# Altium PCB CHEM_CONTROL_BOX.PcbDoc (part 2 of 3)
Units mil, origin at the board's own origin, x right, y up, seen from the top; angles counter-clockwise.
Board outline 17180 x 8000 mil, 2 copper layers (Top Layer, Bottom Layer), stack 65.3 mil thick; 278 components, 287 nets, 1298 pads, 479 vias.
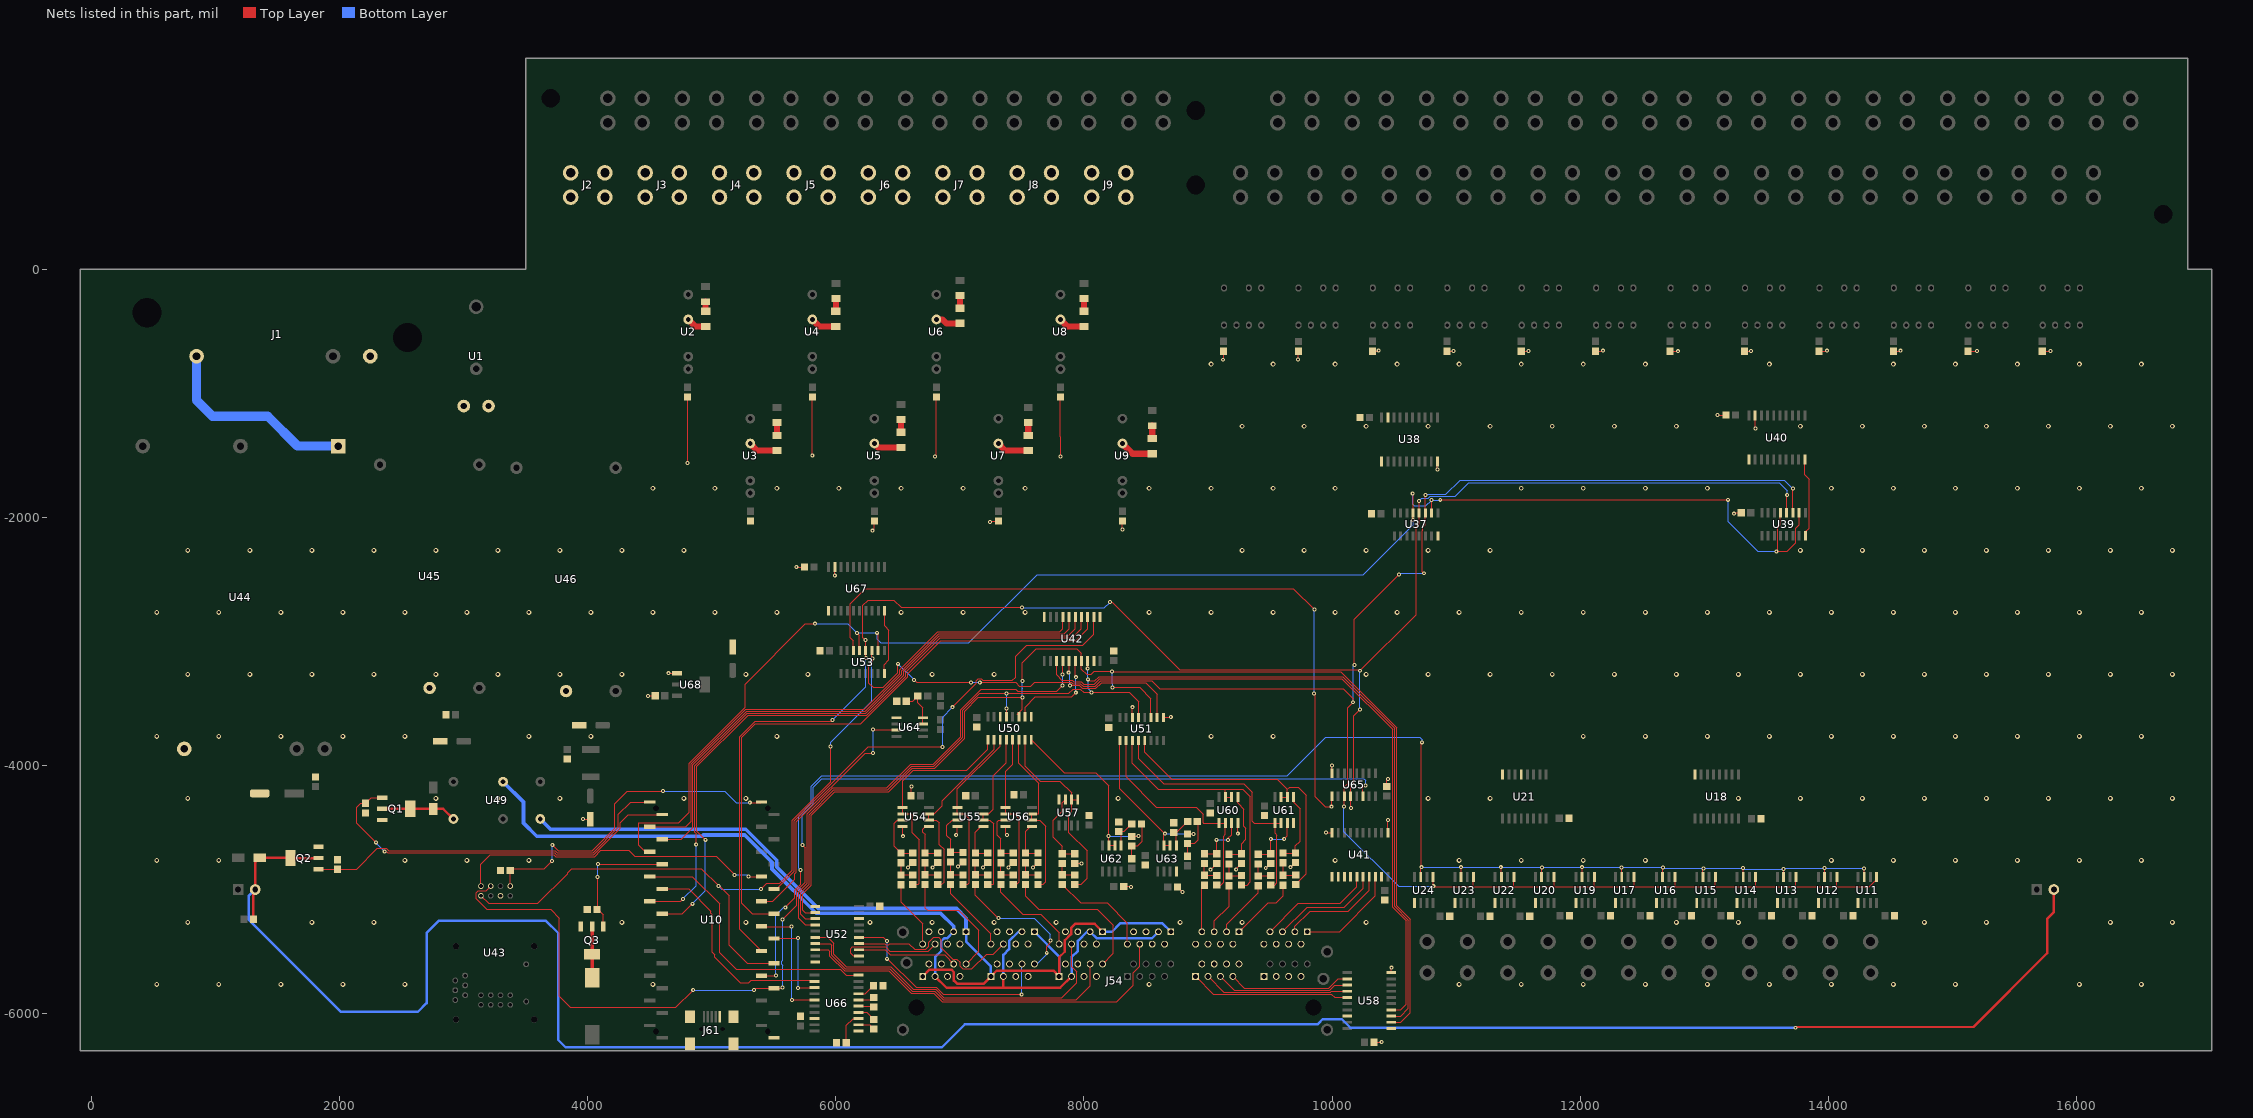
[diagram p2: the nets of this part, all layers, seen from the top]

## Via types
v1: diameter 32, hole 15, Top Layer to Bottom Layer, tented both sides, 259 vias
v2: diameter 40, hole 20, Top Layer to Bottom Layer, tented both sides, 217 vias
v3: diameter 32, hole 15, Top Layer to Bottom Layer, 3 vias

## Nets (pads, with @x,y where several pads share a name; then routed paths per layer and width w, separated by ;. In a path a pad name is that pad's centre, name@x,y a point inside that pad or via, vN(x,y) a via of type N, cw(c..) or ccw(c..) an arc to the next point about the centre after c; other vN are vias at no path point) (continued)
ADC1_CS_5V: U42.16 U50.10 | length 793.8
  Top Layer w8: U50.10@7525,-3607.48 7525,-3529 7607,-3447 7900,-3447 v1(7934,-3413) ; U42.16@7930,-3157.17 7930,-3283 v1(7935,-3288)
  Bottom Layer w8: v1(7934,-3413) 7934,-3383 7935,-3382 v1(7935,-3288)
ADC2_CS_5V: U42.15 U51.10 | length 1161.4
  Top Layer w8: v1(7877,-3252) 7880,-3249 U42.15@7880,-3157.17 ; v1(7886,-3355) 7963.75,-3355 7985.75,-3377 8095.63,-3377 8141.63,-3331 8496,-3331 8590,-3425 U51.10@8590,-3612.48
  Bottom Layer w8: v1(7877,-3252) 7886,-3261 v1(7886,-3355)
AIO_ADC1_CS: U10.30 U42.4 | length 5128
  Top Layer w8: U10.30@4600,-5195 4763,-5195 v1(4843,-5115) ; v1(4948,-4599) 4880,-4531 4880,-4007 5293,-3594 6248.51,-3594 6564,-3278.51 6564,-3248.37 6841.37,-2971 7907,-2971 7980,-2898 U42.4@7980,-2802.83
  Bottom Layer w8: v1(4843,-5115) 4948,-5010 v1(4948,-4599)
AIO_ADC2_CS: U10.29 U42.5 | length 5034.4
  Top Layer w8: U10.29@4500,-5095 4748,-5095 v1(4767,-5076) ; v1(4874,-4636) 4874,-4547.63 4864,-4537.63 4864,-4000.37 5286.37,-3578 6241.88,-3578 6548,-3271.88 6548,-3241.75 6834.75,-2955 7873,-2955 7930,-2898 U42.5@7930,-2802.83
  Bottom Layer w8: v1(4767,-5076) 4874,-4969 v1(4874,-4636)
AIO_CLK: U10.13 U42.2 | length 4066.7
  Top Layer w8: U10.13@5500,-4995 5523.97,-4995 5666,-4852.97 5666,-4446.23 6262.23,-3850 v1(6860,-3850) ; v1(6940,-3530) 7132,-3338 7132,-3318.4 7148.4,-3302 7171.6,-3302 7183.6,-3314 7423.37,-3314 7450,-3287.37 7450,-3120 7540,-3030 7990,-3030 8080,-2940 U42.2@8080,-2802.83
  Bottom Layer w8: v1(6860,-3850) 6860,-3610 v1(6940,-3530)
AIO_CLK_5V: U42.18 U50.13 U51.13 U52.3 U58.3 | length 9924.2
  Top Layer w8: U52.3@5832.83,-5235 5753,-5235 5717,-5199 5717,-5024.37 5785,-4956.37 5785,-4395.11 5983.11,-4197 6417.75,-4197 6609.75,-4005 6790.25,-4005 7022,-3773.25 7022,-3555.37 7158.37,-3419 7878,-3419 7912,-3385 7971.12,-3385 7997.12,-3411 v1(8062,-3411) 8366,-3411 8440,-3485 U51.13@8440,-3612.48 ; U50.13@7375,-3607.48 7376,-3606.48 v1(7376,-3541) ; v1(8030,-3219) U42.18@8030,-3157.17 ; v1(8033,-3305) 8045,-3317 8087.75,-3317 8121.75,-3283 10086.63,-3283 10505,-3701.37 10505,-5135.37 10616,-5246.37 10616,-5958 10554,-6020 U58.3@10477.17,-6020
  Bottom Layer w8: v1(7376,-3541) v1@7376,-3415 ; v1(8030,-3219) 8030,-3302 v1(8033,-3305) 8033,-3382 v1(8062,-3411)
  other v1: 7374,-3419
AIO_DAC1_CS: U10.24 U42.6 | length 4392.5
  Top Layer w8: U10.24@4600,-4595 4753.37,-4595 4848,-4500.37 4848,-3993.75 5279.75,-3562 6235.25,-3562 6532,-3265.25 6532,-3235.12 6828.12,-2939 7839,-2939 7880,-2898 U42.6@7880,-2802.83
AIO_DAC2_CS: U10.23 U42.7 | length 4376.1
  Top Layer w8: U10.23@4500,-4495 4788,-4495 4832,-4451 4832,-3987.12 5273.12,-3546 6228.63,-3546 6516,-3258.63 6516,-3228.49 6821.49,-2923 7805,-2923 7830,-2898 U42.7@7830,-2802.83
AIO_DIN: U10.11 U42.3 | length 4893.6
  Top Layer w8: U10.11@5500,-5195 5324,-5195 5240,-5111 5240,-3773 5349,-3664 6201.14,-3664 6580,-3285.14 6580,-3261.57 6846.57,-2995 7932,-2995 8030,-2897 U42.3@8030,-2802.83
AIO_DIN_5V: U42.17 U50.11 U51.11 U52.2 U58.2 | length 10168.9
  Top Layer w8: U52.2@5832.83,-5185 5753,-5185 5733,-5165 5733,-5035 5801,-4967 5801,-4401.73 5989.73,-4213 6424.37,-4213 6616.37,-4021 6796.88,-4021 7038,-3779.88 7038,-3562 7149,-3451 v1(7504,-3451) 7504,-3546 7464,-3586 7475,-3586 U50.11@7475,-3607.48 ; v1(7503,-3320) 7503,-3172 7617,-3058 7941,-3058 7980,-3097 U42.17@7980,-3157.17 7980,-3222 8021.64,-3263.64 8057.96,-3263.64 8081.6,-3240 v1@8227,-3240 ; v1(8227,-3243) 10069.25,-3243 10521,-3694.75 10521,-5128.75 10632,-5239.75 10632,-5992 10554,-6070 U58.2@10477.17,-6070 ; v1@8229,-3369 v1(8230,-3370) 8449,-3370 8540,-3461 U51.11@8540,-3612.48
  Bottom Layer w8: v1(7503,-3320) 7503,-3379 7504,-3380 v1(7504,-3451) ; v1(8227,-3243) 8227,-3340 8230,-3340 v1(8230,-3370)
AIO_DOUT: U10.12 U64.3 | length 2040.4
  Top Layer w8: U10.12@5400,-5095 5490,-5095 5667,-4918 5667,-4874.6 5682,-4859.6 5682,-4452.85 6234.85,-3900 v1(6300,-3900) ; v1(6300,-3710) 6484.69,-3710 U64.3@6489.69,-3715
  Bottom Layer w8: v1(6300,-3900) v1(6300,-3710)
BUZZER_CONTROL: Q3.1 R62.2 U10.26 | length 1042.7
  Top Layer w8: v1(4079,-4898) 4079,-5155.37 4125.55,-5201.92 Q3.1@4125.55,-5297.8 ; v1(4082,-4794) 4083,-4795 U10.26@4600,-4795
  Bottom Layer w8: v1(4079,-4898) 4082,-4895 v1(4082,-4794)
DAC1_CS_5V: U42.14 U52.4 | length 3854.6
  Top Layer w8: U52.4@5832.83,-5285 5753,-5285 5701,-5233 5701,-5017.75 5769,-4949.75 5769,-4388.48 5976.48,-4181 6411.12,-4181 6603.12,-3989 6783.63,-3989 7006,-3766.63 7006,-3548.75 7170.75,-3384 7449,-3384 7468,-3403 7779,-3403 v1(7827,-3355) ; v1(7828,-3267) 7828,-3159.17 U42.14@7830,-3157.17
  Bottom Layer w8: v1(7827,-3355) 7827,-3268 v1(7828,-3267)
DAC2_CS_5V: U42.13 U58.4 | length 5444.6
  Top Layer w8: U42.13@7780,-3157.17 7780,-3269 7822,-3311 7904.23,-3311 7916.23,-3323 7977,-3323 7999,-3345 8082.37,-3345 8128.37,-3299 10080,-3299 10489,-3708 10489,-5142 10600,-5253 10600,-5924 10554,-5970 U58.4@10477.17,-5970
EARTH_GROUND: J1.E U44.1 | length 1650
  Bottom Layer w75: J1.E@846.06,-700.2 846.06,-1056.06 975,-1185 1420,-1185 1660,-1425 U44.1@1987.4,-1425
FAN_CONTROL: Q2.1 R61.2 U10.21 | length 2988
  Top Layer w8: Q2.1@1828.2,-4836.55 1981.18,-4836.55 R61.2@1982,-4837.37 1982.82,-4836.55 2135.45,-4836.55 2304,-4668 2349.4,-4668 2351.4,-4666 2374.6,-4666 2395.6,-4687 3738.37,-4687 3753.37,-4702 4042.74,-4702 4246,-4498.74 4246,-4394 4345,-4295 U10.21@4500,-4295
GND: C1.1 C2.1 C3.1 C4.1 C5.1 C6.1 C7.1 C8.1 C9.1 C10.1 C11.1 C12.1 C13.1 C14.1 C15.1 C16.1 C17.1 C18.1 C19.1 C20.1 C21.1 C22.1 C23.1 C24.1 C34.1 C36.1 C38.1 C40.1 C42.1 C44.1 C46.1 C48.1 C50.1 C51.1 C53.1 C55.1 C57.1 C59.1 C60.1 C61.1 C62.1 C63.1 C64.2 C65.1 C66.1 C67.2 C68.1 C69.1 C70.1 C72.1 C75.1 C76.1 C77.1 C78.2 C79.2 C80.1 C81.1 C82.2 C83.2 C85.1 J54.1-2 J54.1-4 J54.1-5 J54.1-7 J54.2-2 J54.2-4 J54.2-5 J54.2-7 J54.3-2 J54.3-4 J54.3-5 J54.3-7 J54.4-2 J54.4-4 J54.4-5 J54.4-7 J54.5-2 J54.5-4 J54.5-6 J54.5-8 J54.6-2 J54.6-4 J54.6-6 J54.6-8 J54.7-2 J54.7-4 J54.7-5 J54.7-7 J54.8-2 J54.8-4 J54.8-5 J54.8-7 J54.9-2 J54.9-4 J54.9-5 J54.9-7 J54.11-2 J54.11-4 J54.11-6 J54.11-8 J54.12-1 J54.12-3 J54.12-5 J54.12-7 J61.5 J61.MH1 J61.MH2 J61.MH3 J61.MH4 Q1.3 Q2.3 Q3.3 R1.1 R2.1 R3.1 R4.1 R5.1 R6.1 R7.1 R8.1 R9.1 R10.1 R11.1 R12.1 R13.1 R14.1 R15.1 R16.1 R17.1 R18.1 R19.1 R20.1 R47.1 R50.1 R59.1 R60.1 R61.1 R62.1 U10.1 U11.1 U12.1 U13.1 U14.1 U15.1 U16.1 U17.1 U18.8 U19.1 U20.1 U21.5 U21.8 U22.1 U23.1 U24.1 U37.8 U38.1 U38.10 U38.19 U39.8 U40.1 U40.10 U40.19 U41.1 U41.10 U41.19 U42.1 U42.10 U42.19 U43.22 U44.6 U45.4 U46.4 U50.9 U50.14 U51.9 U51.14 U52.1 U52.10 U52.18 U53.8 U54.4 U55.4 U56.4 U57.4 U58.1 U58.10 U58.18 U60.4 U61.4 U63.4 U64.1 U65.8 U66.1 U66.18 U67.1 U67.10 U67.19 U68.1 | length 6435.8
  Top Layer w8: v3(3962,-4432) 4020,-4432 C82.2@4020,-4434.49 ; v3(4486,-3439) 4486,-3437 C70.1@4543.61,-3437 ; v3(4651,-3256) 4651,-3256.45 U68.1@4718.8,-3256.45 ; v1(4805,-1562) R2.1@4805,-1029.37 ; v1(5681,-2401) 5682,-2400 C20.1@5746.61,-2400 ; v1(5810,-1500) R4.1@5810,-1029.37 ; v1(5991,-2467) 5992.02,-2465.98 U67.19@5992.02,-2398.69 ; v1(6295,-2107) 6310,-2092 R5.1@6310,-2029.37 ; U53.8@6390.33,-3258.13 6390.33,-3186.67 6428,-3149 6428,-2911 6392.02,-2875.02 U67.10@6392.02,-2753.02 ; U54.4@6538.9,-4490 6538.9,-4568.9 v1(6540,-4570) ; v1(6580.47,-4821.93) 6581.46,-4821.93 C34.1@6620,-4783.39 ; C60.1@6606.61,-4245 6606.61,-4173.39 v1(6610,-4170) ; v1(6780.47,-4821.93) 6781.46,-4821.93 C36.1@6820,-4783.39 ; v1(6800,-1510) 6808,-1502 6808,-1391 6810,-1389 R6.1@6810,-1029.37 ; v1(6970,-4560) 6978.9,-4551.1 U55.4@6978.9,-4490 ; v1(6985.47,-4815.31) 6986.46,-4815.31 C38.1@7025,-4776.77 ; v1(7185.47,-4821.93) 7224.02,-4783.39 C40.1@7225,-4783.39 ; v1(7243,-2038) 7251.63,-2029.37 R7.1@7310,-2029.37 ; U56.4@7368.9,-4490 7368.9,-4548.9 v1(7380,-4560) ; v1(7390.47,-4821.93) 7429.02,-4783.39 C42.1@7430,-4783.39 ; v1(7590.47,-4821.93) 7591.46,-4821.93 C44.1@7630,-4783.39 ; v1(7810,-1510) 7811,-1509 7811,-1350 7810,-1349 R8.1@7810,-1029.37 ; C46.1@7925,-4788.39 7978.39,-4788.39 v1(7980,-4790) ; v1(8310,-2097) R9.1@8310,-2029.37 ; R47.1@8319.37,-4975 8375,-4975 v1(8380,-4980) ; U51.14@8390,-3612.48 v1(8390,-3530) ; U51.9@8640,-3612.48 8697.52,-3612.48 v1(8700,-3610) ; R50.1@8754.37,-4980 v1(8794.37,-5020) ; v1(9020,-4840) 9020,-4838.39 C53.1@9070,-4788.39 ; v1(9120,-729) 9125,-724 R1.1@9125,-659.37 ; v1(9227.3,-4837.3) 9227.3,-4831.08 C55.1@9270,-4788.39 ; v1(9240,-4550) U60.4@9240,-4465.31 ; v1(9465.47,-4826.93) 9504.02,-4788.39 C57.1@9505,-4788.39 ; v1(9665.47,-4819.93) 9704.02,-4781.39 C59.1@9705,-4781.39 ; v1(9725,-726) 9728,-723 R10.1@9728,-660.37 ; v1(9950,-4540) 9952.83,-4542.83 U41.10@10000,-4542.83 ; U65.8@9999,-4062.48 9999,-4001 v1(10000,-4000) ; R11.1@10325,-659.37 10370.63,-659.37 v1(10376,-654) ; C51.1@10338.39,-6230 v1(10400,-6230) ; C68.1@10440,-4170.61 10440,-4120 v1(10450,-4110) ; U41.1@10450,-4542.83 v1(10450,-4440) ; U58.10@10477.17,-5670 10477.17,-5632.83 v1(10480,-5630) ; U38.10@10849.28,-1549.02 10849.28,-1613.28 v1(10851,-1615) ; R12.1@10925,-659.37 10978.63,-659.37 v1(10980,-658) ; R13.1@11525,-659.37 11582.63,-659.37 v1(11584,-658) ; R14.1@12125,-659.37 12181.63,-659.37 v1(12185,-656) ; R15.1@12725,-659.37 12789.37,-659.37 v1(12790,-660) ; v1(13106,-1175) C23.1@13176.61,-1175 ; v1(13239,-1970) 13239,-1963 C24.1@13298.61,-1963 ; R16.1@13325,-659.37 13374.63,-659.37 v1(13376,-658) ; U40.19@13410.89,-1178.94 13410.89,-1280.89 v1(13414,-1284) ; U40.10@13810.89,-1533.27 13810.89,-1656.89 13845,-1691 13845,-2086 13815,-2116 U39.8@13815,-2147.52 ; R17.1@13925,-659.37 13987.63,-659.37 v1(13991,-656) ; R18.1@14525,-659.37 14577.63,-659.37 v1(14581,-656) ; R19.1@15125,-659.37 15199.63,-659.37 v1(15200,-659) ; R20.1@15725,-659.37 15792.63,-659.37 v1(15793,-659)
  Bottom Layer w8: v1(8794.37,-5020) v1@8800,-5020
  other v2: 525,-5765 1025,-5765 1525,-5765 2025,-5765 2525,-5765 4525,-5765 8525,-5765 11025,-5765 11525,-5765 12025,-5765 12525,-5765 13025,-5765 13525,-5765 14025,-5765 14525,-5765 15025,-5765 16025,-5765 16525,-5765 775,-5265 1775,-5265 2275,-5265 4275,-5265 5275,-5265 6275,-5265 6775,-5265 7275,-5265 7775,-5265 8775,-5265 9275,-5265 10275,-5265 12775,-5265 13275,-5265 14775,-5265 15275,-5265 16275,-5265 16775,-5265 525,-4765 1025,-4765 2525,-4765 3025,-4765 3525,-4765 10025,-4765 11025,-4765 11525,-4765 12025,-4765 12525,-4765 14025,-4765 14525,-4765 15025,-4765 15525,-4765 16025,-4765 16525,-4765 775,-4265 2775,-4265 3275,-4265 3775,-4265 4775,-4265 5275,-4265 8275,-4265 10775,-4265 11275,-4265 13275,-4265 13775,-4265 14275,-4265 14775,-4265 15275,-4265 15775,-4265 16275,-4265 16775,-4265 525,-3765 1025,-3765 1525,-3765 2025,-3765 2525,-3765 3525,-3765 4025,-3765 5525,-3765 9025,-3765 9525,-3765 12025,-3765 12525,-3765 13025,-3765 13525,-3765 14025,-3765 14525,-3765 15025,-3765 15525,-3765 16025,-3765 16525,-3765 775,-3265 1275,-3265 1775,-3265 2275,-3265 2775,-3265 3275,-3265 3775,-3265 4275,-3265 5275,-3265 5775,-3265 6775,-3265 7275,-3265 10275,-3265 10775,-3265 11275,-3265 11775,-3265 12275,-3265 12775,-3265 13275,-3265 13775,-3265 14275,-3265 14775,-3265 15275,-3265 15775,-3265 16275,-3265 16775,-3265 525,-2765 1025,-2765 1525,-2765 2025,-2765 2525,-2765 3025,-2765 3525,-2765 4025,-2765 4525,-2765 5025,-2765 5525,-2765 6525,-2765 7025,-2765 7525,-2765 8525,-2765 9025,-2765 9525,-2765 10025,-2765 10525,-2765 11025,-2765 11525,-2765 12025,-2765 12525,-2765 13025,-2765 13525,-2765 14025,-2765 14525,-2765 15025,-2765 15525,-2765 16025,-2765 16525,-2765 775,-2265 1275,-2265 1775,-2265 2275,-2265 2775,-2265 3275,-2265 3775,-2265 4275,-2265 4775,-2265 9275,-2265 9775,-2265 10275,-2265 10775,-2265 11275,-2265 13775,-2265 14275,-2265 14775,-2265 15275,-2265 15775,-2265 16275,-2265 16775,-2265 4525,-1765 5025,-1765 5525,-1765 6025,-1765 6525,-1765 7025,-1765 7525,-1765 8525,-1765 9025,-1765 9525,-1765 10025,-1765 11525,-1765 12025,-1765 12525,-1765 13025,-1765 14025,-1765 14525,-1765 15025,-1765 15525,-1765 16025,-1765 16525,-1765 9275,-1265 9775,-1265 10275,-1265 10775,-1265 11275,-1265 11775,-1265 12275,-1265 12775,-1265 13775,-1265 14275,-1265 14775,-1265 15275,-1265 15775,-1265 16275,-1265 16775,-1265 9025,-765 9525,-765 10025,-765 10525,-765 11025,-765 11525,-765 12025,-765 12525,-765 13525,-765 14525,-765 15025,-765 15525,-765 16025,-765 16525,-765
HEATER_POWER_0: C25.2 J2.1 U2.2 | length 163.6
  Top Layer w50: U2.2@4810,-404 4867.02,-461.02 C25.2@4950,-461.02
HEATER_POWER_1: C26.2 J3.1 U3.2 | length 238.6
  Top Layer w50: U3.2@5310,-1404 5367.02,-1461.02 C26.2@5525,-1461.02
HEATER_POWER_2: C27.2 J4.1 U4.2 | length 213.6
  Top Layer w50: U4.2@5810,-404 5867.02,-461.02 C27.2@6000,-461.02
HEATER_POWER_3: C28.2 J5.1 U5.2 | length 228.3
  Top Layer w50: U5.2@6310,-1404 6342.02,-1436.02 C28.2@6525,-1436.02
HEATER_POWER_4: C29.2 J6.1 U6.2 | length 203.3
  Top Layer w50: U6.2@6810,-404 6859,-404 6891.02,-436.02 C29.2@7000,-436.02
HEATER_POWER_5: C30.2 J7.1 U7.2 | length 263.6
  Top Layer w50: U7.2@7310,-1404 7367.02,-1461.02 C30.2@7550,-1461.02
HEATER_POWER_6: C31.2 J8.1 U8.2 | length 213.6
  Top Layer w50: U8.2@7810,-404 7867.02,-461.02 C31.2@8000,-461.02
HEATER_POWER_7: C32.2 J9.1 U9.2 | length 274
  Top Layer w50: U9.2@8310,-1404 8392.02,-1486.02 C32.2@8550,-1486.02
LCD_SCK: U10.7 U11.5 U12.5 U13.5 U14.5 U15.5 U16.5 U17.5 U19.5 U20.5 U22.5 U23.5 U24.5 U37.11 U39.11 U43.18 U53.11 U65.11 | length 21945.8
  Top Layer w8: U43.18@3138.71,-5050.77 3199.94,-5112 3597.6,-5112 3838,-4871.6 3838,-4865 3871,-4832 4916,-4832 v1(5055,-4971) ; v1@5061,-4971 5140,-5050 5140,-5450 5285,-5595 U10.7@5500,-5595 ; v1(5396,-4996) 5442,-4950 5546.34,-4950 5650,-4846.34 5650,-4439.6 5958,-4131.6 v1(5958,-3848) ; U53.11@6290.33,-3073.09 6290.33,-3130.33 v1(6296,-3136) 6296,-3161.21 6266.52,-3190.69 6266.52,-3336.52 6300,-3370 6382,-3370 6500,-3252 v1(6500,-3180) ; v1(6630,-3310) 6650,-3330 v1(7090,-3330) ; v1(7160,-3330) 7450,-3330 7480,-3360 7570,-3360 7603,-3327 7897.6,-3327 7909.6,-3339 7970.37,-3339 7992.37,-3361 8089,-3361 8135,-3315 8545,-3315 8610,-3380 10090,-3380 10170,-3460 v1(10170,-3490) 10125.19,-3534.81 10125.19,-4146.18 10099,-4172.37 U65.11@10099,-4247.52 10099,-4329 10098,-4330 v1(10096,-4330) ; v1(10180,-3190) 10180,-2820 v1(10540,-2460) ; v1(10740,-2450) 10728.69,-2438.69 10728.69,-2105.85 10730,-2104.54 10730,-2080 10752.5,-2057.5 U37.11@10752.5,-1964.49 10752.5,-1819.5 v1(10753,-1819) ; U24.5@10815,-4899.68 10816,-4900.68 v1(10816,-4973) 10820,-4977 11140,-4977 ; U23.5@11140,-4899.68 11140,-4977 ; U22.5@11465,-4899.68 11465,-4976 11464,-4977 ; U20.5@11790,-4899.68 11790,-4976 11791,-4977 ; U19.5@12115,-4899.68 12115,-4974 12118,-4977 ; U17.5@12435,-4899.68 12435,-4975 12437,-4977 ; U16.5@12765,-4899.68 12765,-4973 12769,-4977 ; U15.5@13090,-4899.68 13090,-4976 13091,-4977 ; U14.5@13415,-4899.68 13415,-4972 13420,-4977 ; U39.11@13715,-1962.48 v1(13715,-1768) ; U13.5@13740,-4899.68 13740,-4974 13743,-4977 ; U12.5@14070,-4899.68 14070,-4974 14073,-4977 ; U11.5@14390,-4899.68 14390,-4918.82 14331.82,-4977 14073,-4977 ; 11140,-4977 11464,-4977 ; 11464,-4977 11791,-4977 ; 11791,-4977 12118,-4977 ; 12118,-4977 12437,-4977 ; 12437,-4977 12769,-4977 ; 12769,-4977 13091,-4977 ; 13091,-4977 13420,-4977 ; 13420,-4977 13743,-4977 ; 13743,-4977 14073,-4977
  Bottom Layer w8: v1(5055,-4971) 5080,-4996 v1(5396,-4996) ; v1(5958,-3848) 5958,-3814 6289,-3483 6289,-3140 6293,-3136 v1(6296,-3136) ; v1(6500,-3180) v1(6630,-3310) ; v1(7090,-3330) v1(7160,-3330) ; v1(10096,-4330) 10096,-4533 10536,-4973 v1(10816,-4973) ; v1(10170,-3490) 10170,-3200 v1(10180,-3190) ; v1(10540,-2460) 10550,-2450 v1(10740,-2450) ; v1(10753,-1819) 10758,-1814 10918,-1814 11033,-1699 13646,-1699 v1(13715,-1768)
LCD_SDI: U10.5 U43.19 U65.14 | length 9822.1
  Top Layer w8: U43.19@3217.45,-4972.03 3179.48,-5010 3116.37,-5010 3100,-5026.37 3100,-5074.37 3185.63,-5160 3700,-5160 3770,-5230 3770,-5860 3860,-5950 4710,-5950 v1(4850,-5810) ; v1(5340,-5810) 5355,-5795 U10.5@5500,-5795 5565,-5795 v1(5570,-5790) ; v1(5570,-5240) 5685,-5125 5685,-5011.12 5753,-4943.12 5753,-4663 v1(5730,-4640) ; U65.14@10249,-4247.52 10249,-4181 v1(10270,-4160)
  Bottom Layer w8: v1(4850,-5810) v1(5340,-5810) ; v1(5570,-5790) 5570,-5609.6 5562,-5601.6 5562,-5578.4 5570,-5570.4 v1(5570,-5240) ; v1(5730,-4640) 5730,-4399.76 5819,-4310.76 5819,-4173.76 5886.76,-4106 10256,-4106 10270,-4120 v1(10270,-4160)
LCD_SS: U10.14 U43.17 | length 2585.4
  Top Layer w8: U43.17@3138.71,-4972.03 3138.71,-4794.29 3214,-4719 3725.12,-4719 3740.12,-4734 4055.99,-4734 4105.99,-4684 4330,-4684 4379,-4733 5034,-4733 v1(5183,-4882) ; v1(5295,-4896) 5399,-4896 U10.14@5400,-4895
  Bottom Layer w8: v1(5183,-4882) 5281,-4882 v1(5295,-4896)
LCD_SWITCH: R59.2 U10.20 U43.23 | length 2686
  Top Layer w8: U43.23@3374.93,-4972.03 3374.93,-4845.56 R59.2@3374.37,-4845 3387.37,-4832 3649,-4832 v1(3710,-4771) ; v1(3714,-4640) 3760,-4686 4036.11,-4686 4218,-4504.11 4218,-4308 4320,-4206 v1(4607,-4206) ; v1(5306,-4300) 5395,-4300 U10.20@5400,-4295
  Bottom Layer w8: v1(3710,-4771) 3714,-4767 v1(3714,-4640) ; v1(4607,-4206) 4608,-4207 5103,-4207 5196,-4300 v1(5306,-4300)
MCU_MISO1: U10.6 U11.7 U12.7 U13.7 U14.7 U15.7 U16.7 U17.7 U19.7 U20.7 U22.7 U23.7 U24.7 | length 12406.5
  Top Layer w8: U10.6@5400,-5695 5401,-5694 v1(5518,-5694) ; v1(5592,-5144) 5669,-5067 5669,-5004.49 5715,-4958.49 v1(5715,-4843) ; U24.7@10715,-4899.68 10715,-4825 v1(10720,-4820) 10720,-3818 v1(10725,-3813) ; U23.7@11040,-4899.68 v1(11040,-4820) ; v1(11360,-4820) 11365,-4825 U22.7@11365,-4899.68 ; U20.7@11690,-4899.68 11690,-4824 v1(11693,-4821) ; U19.7@12015,-4899.68 12015,-4821 v1(12016,-4820) ; v1(12334,-4823) 12335,-4824 U17.7@12335,-4899.68 ; U16.7@12665,-4899.68 12665,-4824 v1(12668,-4821) ; U15.7@12990,-4899.68 12990,-4833 v1(12993,-4830) ; v1(13314,-4827) 13315,-4828 U14.7@13315,-4899.68 ; v1(13639,-4835) 13640,-4836 U13.7@13640,-4899.68 ; v1(13969,-4825) 13970,-4826 U12.7@13970,-4899.68 ; v1(14289,-4830) 14290,-4831 U11.7@14290,-4899.68
  Bottom Layer w8: v1(5518,-5694) 5517,-5693 5517,-5206 5579,-5144 v1(5592,-5144) ; v1(5715,-4843) 5700,-4828 5700,-4407.14 5803,-4304.14 5803,-4167.14 5887.14,-4083 9638,-4083 9948,-3773 10705,-3773 10725,-3793 v1(10725,-3813) ; v1@10718,-4818 v1(10720,-4820) v1(11040,-4820) v1(11360,-4820) 11361,-4821 v1(11693,-4821) 11694,-4820 v1(12016,-4820) 12331,-4820 v1(12334,-4823) 12336,-4821 v1(12668,-4821) 12677,-4830 v1(12993,-4830) 12996,-4827 v1(13314,-4827) 13322,-4835 v1(13639,-4835) 13644,-4830 v1(14289,-4830)
MCU_RX2: U10.27 U66.10 | length 2241.7
  Top Layer w8: U10.27@4500,-4895 4841,-4895 5062,-5116 5062,-5509 5195,-5642 6035.12,-5642 6083.12,-5690 U66.10@6182.17,-5690
MCU_RX3: U10.10 U66.15 | length 1019.6
  Top Layer w8: U10.10@5400,-5295 5404,-5299 v1(5642,-5299) ; v1(5646,-5891) 5647,-5890 U66.15@5827.83,-5890
  Bottom Layer w8: v1(5642,-5299) 5646,-5303 v1(5646,-5891)
MCU_SR_CLEAR: U10.25 U37.10 U37.13 U39.10 U39.13 U53.10 U53.13 | length 12778.1
  Top Layer w8: U10.25@4500,-4695 4462,-4695 4411,-4644 4411,-4462 4732,-4462 4816,-4378 4816,-3980.49 5268,-3528.49 5268,-3343 5754,-2857 v1(5831,-2857) ; v1(6170,-2931) 6188.21,-2949.21 6188.21,-3070.98 U53.13@6190.33,-3073.09 ; v1(6332,-2930) 6340.33,-2938.33 U53.10@6340.33,-3073.09 ; v1(10650,-1806) 10652.5,-1808.5 U37.13@10652.5,-1964.49 10652,-1964.99 v1(10652,-2021) ; U37.10@10802.5,-1964.49 10802.5,-1860.5 v1(10803,-1860) ; v1(10872,-1858) v1(13192,-1858) ; U39.13@13615,-1962.48 13615,-2060 13591.19,-2083.81 13591.19,-2263.81 v1(13581,-2274) 13668,-2274 13739,-2203 13739,-2087 13765,-2061 U39.10@13765,-1962.48
  Bottom Layer w8: v1(5831,-2857) 6096,-2857 v1(6170,-2931) 6171,-2930 v1(6332,-2930) 6332,-2981 6363,-3012 7073,-3012 7624,-2461 10252,-2461 10653,-2060 10653,-2018 10652,-2019 v1(10652,-2021) ; v1(10650,-1806) 10650,-1895 10662,-1907 10756,-1907 v1(10803,-1860) 10870,-1860 v1(10872,-1858) ; v1(13192,-1858) 13192,-2034 13432,-2274 v1(13581,-2274)
MCU_SR_DOUT: U53.14 U65.9 | length 6011.7
  Top Layer w8: U53.14@6140.33,-3073.09 6140.33,-2994.33 6117,-2971 6117,-2694 6237,-2574 9689,-2574 v1(9857,-2742) ; v1(9855,-3419) 9866,-3430 9866,-4252 9946,-4332 v1(9995,-4332) 9999,-4328 U65.9@9999,-4247.52
  Bottom Layer w8: v1(9855,-3419) 9855,-2744 v1(9857,-2742)
MCU_SR_LOAD: U10.8 U37.12 U39.12 U53.12 U65.12 | length 13894.7
  Top Layer w8: U10.8@5400,-5495 5224,-5319 5224,-3766.37 5348.37,-3642 5964,-3642 v1(5974,-3632) ; v1(6242,-3134) 6242,-3074.76 U53.12@6240.33,-3073.09 6240.33,-2988.67 6239.66,-2988 v1(6238,-2988) 6218.21,-2968.21 6218.21,-2708.68 6259.89,-2667 6468,-2667 6527,-2726 v1(7501,-2726) ; v1(8211,-2682) 8227,-2682 8772,-3227 10216,-3227 v1(10225,-3236) 10678,-2783 10678,-2075 10702.5,-2050.5 U37.12@10702.5,-1964.49 10702.5,-1868.5 v1(10701,-1867) ; v1(10152,-4344) 10149,-4341 U65.12@10149,-4247.52 10149,-4170 10175,-4144 10175,-3599 v1(10225,-3549) ; U39.12@13665,-1962.48 13665,-1822 v1(13669,-1818)
  Bottom Layer w8: v1(5974,-3632) 6242,-3364 v1(6242,-3134) ; v1(7501,-2726) 7505,-2730 8163,-2730 v1(8211,-2682) ; v1(10225,-3549) v1(10225,-3236) ; v1(10701,-1867) 10721,-1847 10776.4,-1847 10793.4,-1830 10994,-1830 11103,-1721 13606,-1721 13669,-1784 v1(13669,-1818)
MCU_TX2: U10.28 U66.12 | length 1754
  Top Layer w8: U10.28@4600,-4995 4812.37,-4995 4992,-5174.63 4992,-5191.6 5004,-5203.6 5004,-5506.63 5022,-5524.63 5022,-5545 5229,-5752 5295.63,-5752 5317.63,-5730 5817.83,-5730 U66.12@5827.83,-5740
MCU_TX3: U10.9 U66.13 | length 731.3
  Top Layer w8: U10.9@5500,-5395 5503,-5392 v1(5696,-5392) ; v1(5696,-5793) 5699,-5790 U66.13@5827.83,-5790
  Bottom Layer w8: v1(5696,-5793) v1(5696,-5392)
MFC_+15V: J54.1-1 J54.2-1 J54.3-1 J54.4-1 J54.7-1 J54.8-1 J54.9-1 U49.4 | length 7394.8
  Top Layer w20: J54.7-1@6700,-5700.16 6754.44,-5645.72 6931.13,-5645.72 6952,-5666.59 6952,-5734 6979,-5761 7189.16,-5761 J54.8-1@7250,-5700.16 7297.16,-5653 7752.84,-5653 J54.9-1@7800,-5700.16 7800,-5546 7845,-5501 7845,-5459.91 7845.56,-5459.35 7845.56,-5408.79 7895.56,-5358.79 7895.56,-5309.44 7928,-5277 8087.08,-5277 J54.3-1@8150,-5339.92
  Bottom Layer w20: J54.1-1@7049.61,-5339.92 7049.61,-5418.61 7250,-5619 J54.8-1@7250,-5700.16 ; J54.2-1@7599.8,-5339.92 7800,-5540.12 J54.9-1@7800,-5700.16 ; J54.3-1@8150,-5339.92 8225.08,-5339.92 8292,-5273 8632.69,-5273 J54.4-1@8700,-5340.31
  Bottom Layer w30: U49.4@3617,-4431 3700,-4514 5272.74,-4514 5523,-4764.26 5523,-4817.77 5858.23,-5153 6972,-5153 7049.61,-5230.61 J54.1-1@7049.61,-5339.92
MFC_-15V: J54.1-3 J54.2-3 J54.3-3 J54.4-3 J54.7-3 J54.8-3 J54.9-3 U49.6 | length 7471.5
  Top Layer w20: J54.7-3@6800,-5700.16 6891.84,-5792 7353,-5792 ; J54.8-3@7350,-5700.16 7350,-5789 7353,-5792 ; J54.9-3@7900,-5700.16 7808.16,-5792 7353,-5792
  Bottom Layer w20: J54.7-3@6800,-5700.16 6800,-5543 6849,-5494 6849,-5417 6871.64,-5394.36 6895.17,-5394.36 J54.1-3@6949.61,-5339.92 ; J54.8-3@7350,-5700.16 7350,-5527 7397,-5480 7397,-5416 7473.08,-5339.92 J54.2-3@7499.8,-5339.92 ; J54.9-3@7900,-5700.16 7900,-5545 7951,-5494 7951,-5414 8025.08,-5339.92 J54.3-3@8050,-5339.92 8104.08,-5394 8546.31,-5394 J54.4-3@8600,-5340.31
  Bottom Layer w30: U49.6@3317,-4131 3481,-4295 3481,-4463 3588,-4570 4921.85,-4570 4931.85,-4560 5265,-4560 5485,-4780 5485,-4833.51 5842.49,-5191 6844,-5191 6949.61,-5296.61 J54.1-3@6949.61,-5339.92
MFC_AI_0: J54.1-8 R29.1 | length 547.9
  Top Layer w8: R29.1@6525,-4964.37 6525,-5102 6699.61,-5276.61 J54.1-8@6699.61,-5439.92
MFC_AI_1: J54.7-8 R31.1 | length 1009.4
  Top Layer w8: R31.1@6720,-4959.37 6720,-5149 6739,-5168 6992,-5168 7151,-5327 7151,-5499.16 J54.7-8@7050,-5600.16
MFC_AI_2: J54.2-8 R33.1 | length 615.1
  Top Layer w8: R33.1@6925,-4959.37 6925,-5032 7249.8,-5356.8 J54.2-8@7249.8,-5439.92
MFC_AI_3: J54.8-8 R37.1 | length 1139.2
  Top Layer w8: R37.1@7125,-4959.37 7125,-5046 v1@7309.5,-5230.5 ; J54.8-8@7600,-5600.16 J54.8-8@7600,-5588 ; v1(7700,-5510) 7700,-5460 7730,-5430 v1(7730,-5410)
  Bottom Layer w8: v1(7310,-5230) 7600,-5230 7730,-5360 v1(7730,-5410) ; J54.8-8@7600,-5600.16 7619.84,-5600.16 7700,-5520 v1(7700,-5510)
MFC_AI_4: J54.3-8 R39.1 | length 759
  Top Layer w8: R39.1@7330,-4959.37 7330,-5021 7507,-5198 7650,-5198 7800,-5348 J54.3-8@7800,-5439.92
MFC_AI_5: J54.9-8 R41.1 | length 1243.3
  Top Layer w8: R41.1@7530,-4959.37 7530,-5053 7635,-5158 8105,-5158 8235,-5288 8235,-5515.16 J54.9-8@8150,-5600.16
MFC_AI_6: J54.4-8 R43.1 | length 824
  Top Layer w8: R43.1@7825,-4959.37 7973.63,-5108 8188,-5108 8350,-5270 J54.4-8@8350,-5440.31
MFC_AO_0: J54.1-6 U52.12 | length 839.5
  Top Layer w8: U52.12@6187.17,-5535 6141,-5535 6118,-5512 6118,-5477 6133.81,-5461.19 6401.19,-5461.19 6436,-5496 6743.53,-5496 J54.1-6@6799.61,-5439.92
MFC_AO_1: J54.7-6 U52.13 | length 810.5
  Top Layer w8: U52.13@6187.17,-5485 6396,-5485 6437,-5526 6875.84,-5526 J54.7-6@6950,-5600.16
MFC_AO_2: J54.2-6 U52.14 | length 1488.2
  Top Layer w8: U52.14@6187.17,-5435 6392.4,-5435 6401.4,-5444 6424.6,-5444 6433.6,-5435 6589,-5435 6634,-5480 6725,-5480 6748,-5457 6748,-5426 6788,-5386 6828,-5386 6850,-5408 6850,-5468 6942.6,-5560.6 6975.6,-5560.6 7002,-5587 7002,-5620 7021.72,-5639.72 7095.28,-5639.72 7215,-5520 7269.72,-5520 J54.2-6@7349.8,-5439.92
MFC_AO_3: J54.8-6 U52.15 | length 1830.2
  Top Layer w8: U52.15@6187.17,-5385 6382,-5385 v1(6413,-5416) ; v1(6413,-5558) 6416.07,-5558 6647.07,-5789 6809.88,-5789 6865.88,-5845 v1(7498,-5845)
  Bottom Layer w8: v1(6413,-5558) v1(6413,-5416) ; v1(7498,-5845) 7498,-5602.16 J54.8-6@7500,-5600.16
MFC_AO_4: J54.3-6 U52.6 | length 2742.8
  Top Layer w8: U52.6@5832.83,-5385 5936,-5385 5984,-5433 5984,-5523 6084,-5623 6440.63,-5623 6622.63,-5805 6803.25,-5805 6871.25,-5873 7821,-5873 7941,-5753 7941,-5662 7900,-5621 J54.3-6@7900,-5439.92
MFC_AO_5: J54.9-6 U52.7 | length 2675.7
  Top Layer w8: U52.7@5832.83,-5435 5955,-5435 5968,-5448 5968,-5529.63 6077.37,-5639 6434,-5639 6616,-5821 6796.63,-5821 6864.63,-5889 7937,-5889 8050,-5776 J54.9-6@8050,-5600.16
MFC_AO_6: J54.4-6 U52.8 | length 3167.8
  Top Layer w8: U52.8@5832.83,-5485 5936.53,-5485 5952,-5500.47 5952,-5536.25 6070.75,-5655 6427.37,-5655 6609.37,-5837 6790,-5837 6858,-5905 8264,-5905 8398,-5771 8398,-5671 8450,-5619 J54.4-6@8450,-5440.31
MFC_POWER_CONTROL: Q1.1 R60.2 U10.22 | length 3097.8
  Top Layer w8: v1(2292,-4619) 2137,-4464 2137,-4336 2168.37,-4304.63 R60.2@2208,-4304.63 2254.18,-4258.45 Q1.1@2343.8,-4258.45 ; v1(2363,-4694) 2379.97,-4694 2388.97,-4703 3731.75,-4703 3746.75,-4718 4049.37,-4718 4262,-4505.37 4262,-4460 4327,-4395 U10.22@4600,-4395
  Bottom Layer w8: v1(2292,-4619) 2292,-4623 v1(2363,-4694)
MISC_AI_0: J54.5-7 R51.1 | length 384.2
  Top Layer w8: J54.5-7@8950,-5340.31 8950,-4984.37 R51.1@8970,-4964.37
MISC_AI_1: J54.5-5 R53.1 | length 420.7
  Top Layer w8: J54.5-5@9050,-5340.31 9050,-5253 9170,-5133 R53.1@9170,-4969.37
MISC_AI_2: J54.5-3 R55.1 | length 476.6
  Top Layer w8: J54.5-3@9150,-5340.31 9150,-5280 9405,-5025 R55.1@9405,-4969.37
MISC_AI_3: J54.5-1 R57.1 | length 560.3
  Top Layer w8: J54.5-1@9250,-5340.31 9485.32,-5105 9549,-5105 9605,-5049 R57.1@9605,-4964.37
MISC_AO_0: J54.11-7 U58.12 | length 992.4
  Top Layer w8: J54.11-7@9200,-5700.16 9293.84,-5794 9975,-5794 10049,-5720 U58.12@10122.83,-5720
MISC_AO_1: J54.11-5 U58.13 | length 1084.9
  Top Layer w8: J54.11-5@9100,-5700.16 9209.84,-5810 9981.63,-5810 10021.63,-5770 U58.13@10122.83,-5770
MISC_AO_2: J54.11-3 U58.14 | length 1177.4
  Top Layer w8: J54.11-3@9000,-5700.16 9125.84,-5826 9988.25,-5826 9994.25,-5820 U58.14@10122.83,-5820
MISC_AO_3: J54.11-1 U58.15 | length 1293.2
  Top Layer w8: J54.11-1@8900,-5700.16 9041.84,-5842 9992,-5842 10020,-5870 U58.15@10122.83,-5870
MISC_DO_0: J54.6-1 U41.18 | length 823.7
  Top Layer w8: J54.6-1@9800,-5340.31 10060.69,-5340.31 10350,-5051 U41.18@10350,-4897.17
MISC_DO_1: J54.6-3 U41.17 | length 872.7
  Top Layer w8: J54.6-3@9700,-5340.31 9700,-5297 9823,-5174 10132,-5174 10300,-5006 U41.17@10300,-4897.17
MISC_DO_2: J54.6-5 U41.16 | length 887.9
  Top Layer w8: J54.6-5@9600,-5340.31 9798.32,-5142 10098,-5142 10250,-4990 U41.16@10250,-4897.17
MISC_DO_3: J54.6-7 U41.15 | length 930.3
  Top Layer w8: J54.6-7@9500,-5340.31 9729.32,-5111 10066,-5111 10200,-4977 U41.15@10200,-4897.17
MISC_DO_4: U41.14
MISC_DO_5: U41.13
MISC_DO_6: U41.12
MISC_DO_7: U41.11
NetC25_1: C25.1 R21.2 | length 78
  Top Layer w50: C25.1@4950,-338.98 R21.2@4950,-261.02
NetC26_1: C26.1 R22.2 | length 103
  Top Layer w50: C26.1@5525,-1338.98 R22.2@5525,-1236.02
NetC27_1: C27.1 R23.2 | length 103
  Top Layer w50: C27.1@6000,-338.98 R23.2@6000,-236.02
NetC28_1: C28.1 R24.2 | length 103
  Top Layer w50: C28.1@6525,-1313.98 R24.2@6525,-1211.02
NetC29_1: C29.1 R25.2 | length 103
  Top Layer w50: C29.1@7000,-313.98 R25.2@7000,-211.02
NetC30_1: C30.1 R26.2 | length 103
  Top Layer w50: C30.1@7550,-1338.98 R26.2@7550,-1236.02
NetC31_1: C31.1 R27.2 | length 103
  Top Layer w50: C31.1@8000,-338.98 R27.2@8000,-236.02
NetC32_1: C32.1 R28.2 | length 103
  Top Layer w50: C32.1@8550,-1363.98 R28.2@8550,-1261.02
NetC33_1: C33.1 U50.1 U54.1 U54.2 | length 1843.2
  Top Layer w8: C33.1@6620,-4958.39 6662.61,-4958.39 6671,-4950 6671,-4597 6616,-4542 6616,-4401 6605,-4390 U54.2@6538.9,-4390 U54.1@6538.9,-4340 6538.9,-4121.1 6623,-4037 7056,-4037 7225,-3868 U50.1@7225,-3792.52
NetC33_2: C33.2 R29.2 R30.1 | length 193.7
  Top Layer w8: R30.1@6525,-4784.37 R29.2@6525,-4882.63 6618.98,-4882.63 C33.2@6620,-4881.61
NetC34_2: C34.2 R30.2 U54.3 | length 435.5
  Top Layer w8: U54.3@6538.9,-4440 6495,-4440 6471.37,-4463.63 6471.37,-4652 R30.2@6525,-4705.63 C34.2@6619.02,-4705.63
NetC35_1: C35.1 U50.2 U54.6 U54.7 | length 1537
  Top Layer w8: C35.1@6820,-4958.39 6853.61,-4958.39 6872,-4940 6872,-4676.54 6833,-4637.54 6833,-4463 6810,-4440 U54.6@6749.53,-4440 U54.7@6749.53,-4390 6794,-4390 6859,-4325 6859,-4285 7275,-3869 U50.2@7275,-3792.52
NetC35_2: C35.2 R31.2 R32.1 | length 196.7
  Top Layer w8: R32.1@6720,-4784.37 R31.2@6720,-4880.63 6720.98,-4881.61 C35.2@6820,-4881.61
NetC36_2: C36.2 R32.2 U54.5 | length 359
  Top Layer w8: U54.5@6749.53,-4490 6724,-4490 6701,-4513 6701,-4537 6720,-4556 R32.2@6720,-4705.63 6819.02,-4705.63 C36.2@6820,-4706.61
NetC37_1: C37.1 U50.3 U55.1 U55.2 | length 1424.6
  Top Layer w8: C37.1@7025,-4958.39 7063.61,-4958.39 7075,-4947 7075,-4431 7034,-4390 U55.2@6978.9,-4390 U55.1@6978.9,-4340 6978.9,-4189.1 7325,-3843 U50.3@7325,-3792.52
NetC37_2: C37.2 R33.2 R34.1 | length 203.3
  Top Layer w8: R34.1@6925,-4777.76 R33.2@6925,-4880.63 7024.02,-4880.63 C37.2@7025,-4881.61
NetC38_2: C38.2 R34.2 U55.3 | length 430.6
  Top Layer w8: U55.3@6978.9,-4440 6938,-4440 6895,-4483 6895,-4566 6925,-4596 R34.2@6925,-4699.02 7024.02,-4699.02 C38.2@7025,-4700
NetC39_1: C39.1 U50.4 U55.6 U55.7 | length 1374.9
  Top Layer w8: C39.1@7225,-4958.39 7267.61,-4958.39 7271,-4955 7271,-4470 7241,-4440 U55.6@7189.53,-4440 U55.7@7189.53,-4390 7231,-4390 7270,-4351 7270,-4081 7375,-3976 U50.4@7375,-3792.52
NetC39_2: C39.2 R37.2 R38.1 | length 196.7
  Top Layer w8: R38.1@7125,-4784.37 R37.2@7125,-4880.63 7125.98,-4881.61 C39.2@7225,-4881.61
NetC40_2: C40.2 R38.2 U55.5 | length 352.4
  Top Layer w8: U55.5@7189.53,-4490 7173,-4490 7125,-4538 R38.2@7125,-4705.63 7224.02,-4705.63 C40.2@7225,-4706.61
NetC41_1: C41.1 U50.5 U56.1 U56.2 | length 1314.8
  Top Layer w8: U50.5@7425,-3792.52 7425,-3990 7368.9,-4046.1 U56.1@7368.9,-4340 U56.2@7368.9,-4390 7440,-4390 7480,-4430 7480,-4938 7459.61,-4958.39 C41.1@7430,-4958.39
NetC41_2: C41.2 R39.2 R40.1 | length 196.7
  Top Layer w8: R40.1@7330,-4784.37 R39.2@7330,-4880.63 7330.98,-4881.61 C41.2@7430,-4881.61
NetC42_2: C42.2 R40.2 U56.3 | length 441.2
  Top Layer w8: U56.3@7368.9,-4440 7312,-4440 7299,-4453 7299,-4561 7330,-4592 R40.2@7330,-4705.63 7429.02,-4705.63 C42.2@7430,-4706.61
NetC43_1: C43.1 U50.6 U56.6 U56.7 | length 1423.3
  Top Layer w8: U50.6@7475,-3792.52 7475,-3983 7637,-4145 7637,-4387 7634,-4390 U56.7@7579.53,-4390 U56.6@7579.53,-4440 7644,-4440 7693,-4489 7693,-4936 7670.61,-4958.39 C43.1@7630,-4958.39
NetC43_2: C43.2 R41.2 R42.1 | length 196.7
  Top Layer w8: R42.1@7530,-4784.37 R41.2@7530,-4880.63 7629.02,-4880.63 C43.2@7630,-4881.61
NetC44_2: C44.2 R42.2 U56.5 | length 342.1
  Top Layer w8: U56.5@7579.53,-4490 7570,-4490 7530,-4530 R42.2@7530,-4705.63 7629.02,-4705.63 C44.2@7630,-4706.61
NetC45_1: C45.1 U50.7 U57.1 U57.2 | length 1607.5
  Top Layer w8: U50.7@7525,-3792.52 7525,-4004 7647,-4126 7806,-4126 7900,-4220 U57.2@7900,-4274.69 ; C45.1@7925,-4958.39 7976.61,-4958.39 8025,-4910 8025,-4689 7876.19,-4540.19 7876.19,-4391.81 7900,-4368 U57.2@7900,-4274.69 ; U57.1@7950,-4274.69 U57.2@7900,-4274.69
NetC45_2: C45.2 R43.2 R44.1 | length 191.7
  Top Layer w8: R44.1@7825,-4789.37 R43.2@7825,-4880.63 7924.02,-4880.63 C45.2@7925,-4881.61
NetC46_2: C46.2 R44.2 U57.3 | length 605.5
  Top Layer w8: U57.3@7850,-4274.69 7823.81,-4300.88 7823.81,-4370.19 7754,-4440 7754,-4580 7825,-4651 R44.2@7825,-4710.63 7924.02,-4710.63 C46.2@7925,-4711.61
NetC47_1: C47.1 U50.8 U62.6 U62.7 | length 1605.5
  Top Layer w8: U50.8@7575,-3792.52 7841.48,-4059 8095,-4059 8200,-4164 U62.7@8200,-4644.68 U62.6@8250,-4644.68 ; C47.1@8385,-4571.61 8436.39,-4571.61 v1(8439,-4569)
  Bottom Layer w8: v1(8199,-4567) 8201,-4569 v1(8439,-4569)
NetC47_2: C47.2 R45.2 R46.1 | length 345.6
  Top Layer w8: R45.2@8385,-4750.63 C47.2@8385,-4648.39 8432.61,-4648.39 8469.39,-4611.61 8469.39,-4475.02 R46.1@8464.37,-4470
NetC48_2: C48.2 R46.2 U62.5 | length 251.5
  Top Layer w8: U62.5@8300,-4644.68 8300,-4553.39 C48.2@8280,-4533.39 8282.39,-4531 8324.63,-4531 R46.2@8385.63,-4470
NetC49_1: C49.1 U51.1 U63.6 U63.7 | length 1332
  Top Layer w8: U51.1@8290,-3797.52 8290,-4188 v1(8652,-4550) 8645,-4557 U63.7@8645,-4644.68 U63.6@8695,-4644.68 ; C49.1@8835,-4551.61 8883.61,-4551.61 v1(8884,-4552)
  Bottom Layer w8: v1(8652,-4550) 8654,-4552 v1(8884,-4552)
NetC49_2: C49.2 R48.2 R49.1 | length 355
  Top Layer w8: R48.2@8835,-4730.63 C49.2@8835,-4628.39 8893.61,-4628.39 8923,-4599 8923,-4458.63 R49.1@8914.37,-4450
NetC50_2: C50.2 R49.2 U63.5 | length 261.8
  Top Layer w8: U63.5@8745,-4644.68 8745,-4558.39 C50.2@8725,-4538.39 8747.24,-4538.39 R49.2@8835.63,-4450
NetC52_1: C52.1 U51.2 U60.1 U60.2 | length 1826.7
  Top Layer w8: U51.2@8340,-3797.52 8340,-4092 8584,-4336 8905,-4336 8960,-4391 8960,-4463 8962.31,-4465.31 U60.1@9090,-4465.31 ; C52.1@9070,-4963.39 9103.61,-4963.39 9125,-4942 9125,-4570 9140,-4555 U60.2@9140,-4465.31 9138.31,-4467 9102,-4467
NetC52_2: C52.2 R51.2 R52.1 | length 196.7
  Top Layer w8: R52.1@8970,-4789.37 R51.2@8970,-4885.63 8970.98,-4886.61 C52.2@9070,-4886.61
NetC53_2: C53.2 R52.2 U60.3 | length 454.8
  Top Layer w8: R52.2@8970,-4710.63 9069.02,-4710.63 C53.2@9070,-4711.61 9070,-4601 v1(9068,-4599) ; v1(9160,-4601) 9160,-4588 9190,-4558 U60.3@9190,-4465.31
  Bottom Layer w8: v1(9068,-4599) 9158,-4599 v1(9160,-4601)
NetC54_1: C54.1 U51.3 U60.6 U60.7 | length 2125.5
  Top Layer w8: U51.3@8390,-3797.52 8390,-3982 8600,-4192 9140,-4192 ; U60.6@9190,-4254.68 U60.7@9140,-4254.68 9140,-4192 ; C54.1@9270,-4963.39 9315.61,-4963.39 9340,-4939 9340,-4253 9279,-4192 9140,-4192
NetC54_2: C54.2 R53.2 R54.1 | length 197.9
  Top Layer w8: R54.1@9170,-4794.37 R53.2@9170,-4890.63 9265.98,-4890.63 C54.2@9270,-4886.61
NetC55_2: C55.2 R54.2 U60.5 | length 600.8
  Top Layer w8: R54.2@9170,-4715.63 9265.98,-4715.63 C55.2@9270,-4711.61 9270,-4630 9306,-4594 9306,-4507.63 9290,-4491.63 9290,-4351 9240,-4301 U60.5@9240,-4254.68
NetC56_1: C56.1 U51.4 U61.1 U61.2 | length 2193.6
  Top Layer w8: U51.4@8440,-3797.52 8440,-3946 8643,-4149 9289,-4149 9356,-4216 9356,-4448 9373.31,-4465.31 U61.1@9540,-4465.31 ; C56.1@9505,-4963.39 9537.61,-4963.39 9555,-4946 9555,-4563 9540,-4548 U61.1@9540,-4465.31 ; U61.2@9590,-4465.31 U61.1@9540,-4465.31
NetC56_2: C56.2 R55.2 R56.1 | length 197.9
  Top Layer w8: R56.1@9405,-4794.37 R55.2@9405,-4890.63 9500.98,-4890.63 C56.2@9505,-4886.61
NetC57_2: C57.2 R56.2 U61.3 | length 466.6
  Top Layer w8: R56.2@9405,-4715.63 9500.98,-4715.63 C57.2@9505,-4711.61 9505,-4594 v1(9506,-4593) ; v1(9614,-4592) 9640,-4566 U61.3@9640,-4465.31
  Bottom Layer w8: v1(9506,-4593) 9613,-4593 v1(9614,-4592)
NetC58_1: C58.1 U51.5 U61.6 U61.7 | length 2425.4
  Top Layer w8: U51.5@8490,-3797.52 8490,-3894 8708,-4112 9560,-4112 9640,-4192 ; U61.7@9590,-4254.68 U61.6@9640,-4254.68 9640,-4192 ; C58.1@9706,-4958.39 9793,-4871.39 9793,-4239 9728,-4174 9658,-4174 9640,-4192
NetC58_2: C58.2 R57.2 R58.1 | length 205
  Top Layer w8: R58.1@9605,-4784.37 R57.2@9605,-4885.63 9695.98,-4885.63 C58.2@9705,-4876.61
NetC59_2: C59.2 R58.2 U61.5 | length 587.2
  Top Layer w8: R58.2@9605,-4705.63 9700.98,-4705.63 C59.2@9703.5,-4703.11 ; U61.5@9690,-4254.68 9690,-4295 9743,-4348 9743,-4610 9705,-4648 C59.2@9705,-4704.61
NetC64_1: C64.1 R63.1 U64.7 U64.8 | length 351.7
  Top Layer w8: C64.1@6567.39,-3481 6619.63,-3481 R63.1@6660.63,-3440 6660.63,-3495.63 6700.32,-3535.32 U64.8@6700.32,-3615 U64.7@6700.32,-3665
NetC71_1: C71.1 U66.4 | length 146.3
  Top Layer w8: U66.4@6182.17,-5990 6248.39,-5990 C71.1@6305,-6046.61
NetC71_2: C71.2 U66.2 | length 136.7
  Top Layer w8: U66.2@6182.17,-6090 6271.61,-6090 C71.2@6305,-6123.39
NetC73_1: C73.1 D2.1 J55.2 J56.2 Q2.2 Q2.4 | length 18529.3
  Top Layer w20: C73.1@1304.18,-5239.8 1304.18,-5014.71 J55.2@1318.9,-5000 1318.9,-4780.72 D2.1@1355.61,-4744 1601.8,-4744 Q2.4@1603.8,-4746 Q2.2@1828.2,-4746 ; v1(13735,-6114) 13741,-6108 15169.6,-6108 15764,-5513.6 15764,-5236 15818.9,-5181.1 J56.2@15818.9,-5000
  Bottom Layer w20: J55.2@1318.9,-5000 1265.8,-5053.1 1265.8,-5239.8 1274,-5248 2011.8,-5985.8 2629.2,-5985.8 2700,-5915 2700,-5350 2800.2,-5249.8 3660.2,-5249.8 3762,-5351.6 3762,-6211.6 3821.4,-6271 6855,-6271 7038.8,-6087.2 9882.8,-6087.2 9891,-6079 9925,-6045 10078.4,-6045 10147.4,-6114 v1(13735,-6114)
NetC74_1: C74.1 U66.6 | length 130.5
  Top Layer w8: U66.6@6182.17,-5890 6286.61,-5890 C74.1@6305,-5871.61
NetC74_2: C74.2 U66.5 | length 126.3
  Top Layer w8: U66.5@6182.17,-5940 6296.61,-5940 C74.2@6305,-5948.39
NetC75_2: C75.2 U66.3 | length 261.2
  Top Layer w8: C75.2@6083.39,-6235 6083.39,-6095.61 6139,-6040 U66.3@6182.17,-6040
NetC76_2: C76.2 U66.7 | length 146.4
  Top Layer w8: U66.7@6182.17,-5840 6236.61,-5840 C76.2@6301.61,-5775
NetD1_1: D1.1 Q1.2 Q1.4 U49.1 | length 607.2
  Top Layer w20: Q1.2@2343.8,-4349 Q1.4@2568.2,-4349 2835,-4349 U49.1@2917,-4431
NetJ1_L: J1.L U1.1
NetQ3_2: Q3.2 Q3.4 U59.2 | length 414.9
  Top Layer w30: U59.2@4035,-5712.72 Q3.4@4035,-5522.2 Q3.2@4035,-5297.8